# Altium PCB CB3-ECB_PCB.PcbDoc (part 1 of 4) (continued)
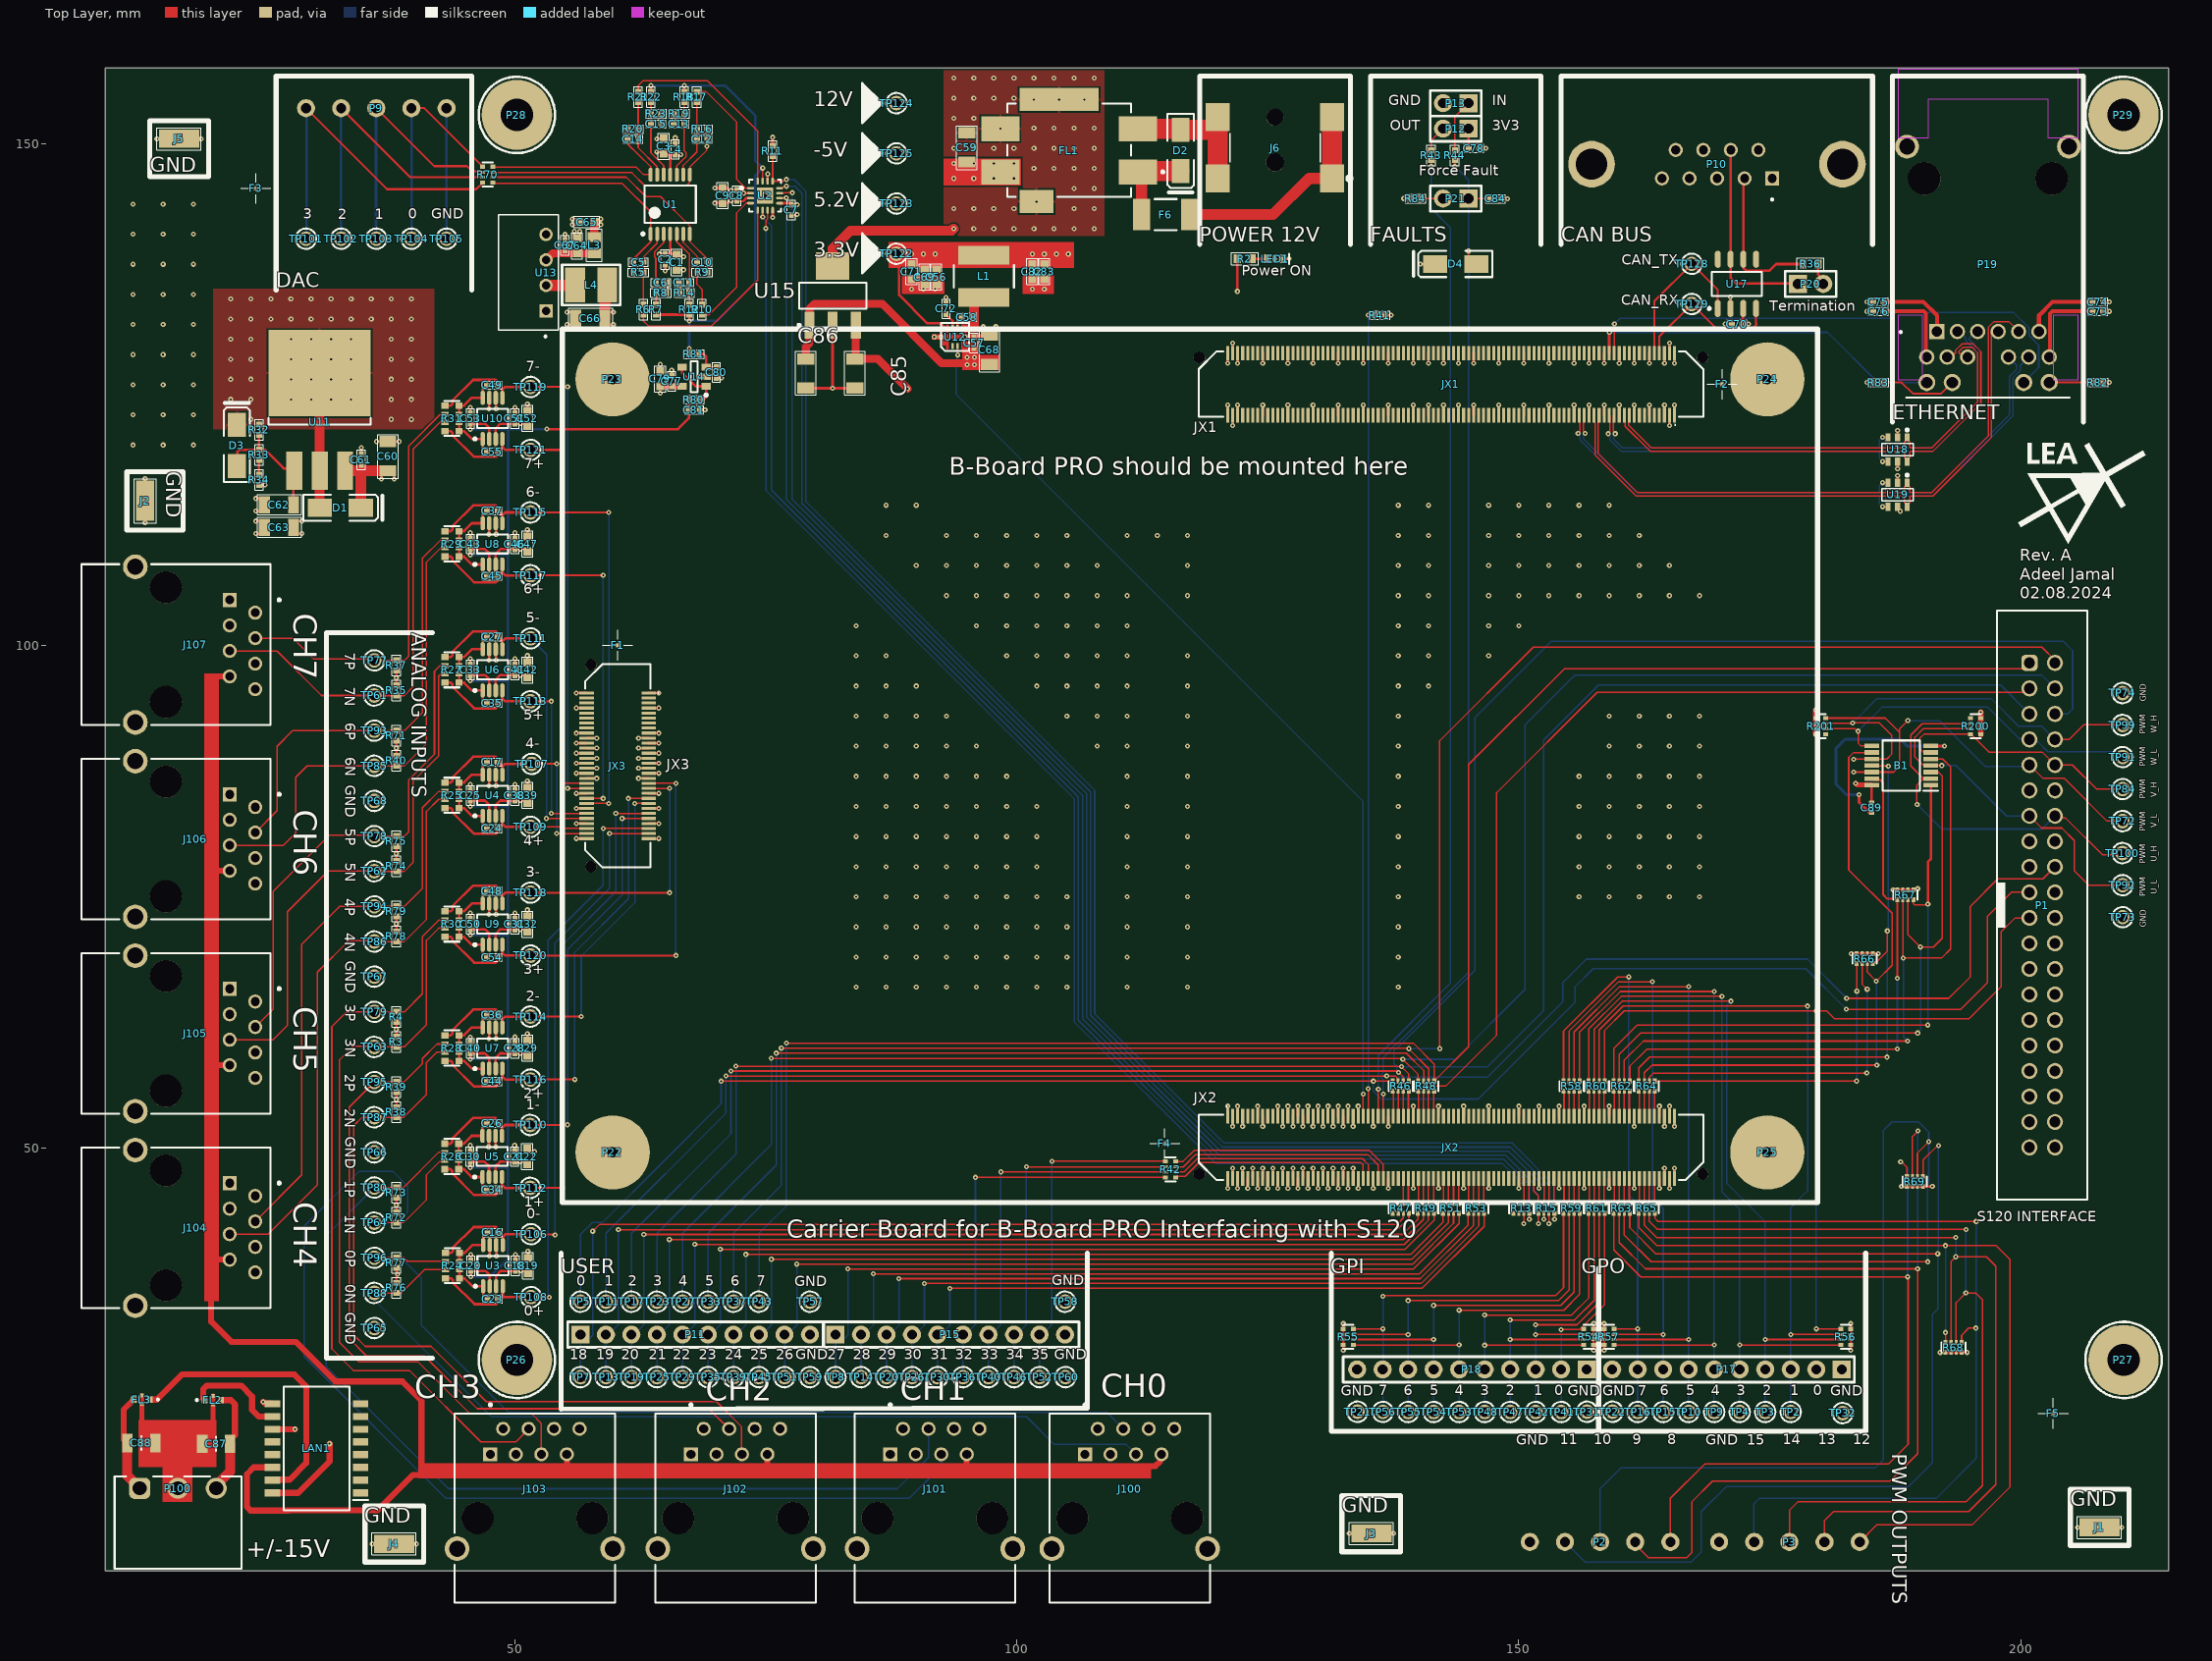
[diagram p0: Top Layer view]
## Components (designator, comment, footprint, x,y, rotation, side; value= is the part's Value field where it differs from the comment) (continued)
R31 "ACASA1002S1002P100" RESQUAD1206 43.766,122.651 r270 top value=10kΩ
R32 "RES-249Ω-1/16W-100PPM-0402-1%" RESC1005L(0402) 24.55,121.525 r90 top value=249Ω
R33 "RES-777Ω-1/16W-25PPM-0402-0.1%" RESC1005L(0402) 24.55,119.025 r90 top value=777Ω
R34 "RES-1.6Ω-1/16WW-200PPM-0402-5%" RESC1005L(0402) 24.55,116.525 r90 top value=1.6Ω
R35 "RES-1MΩ-1/16W-100PPM-0402-1%" RESC1005L(0402) 38.225,95.55 r270 top value=1MΩ
R36 "RES-120Ω-1/8W-50PPM-0603-1%" RESC1608L(0603) 179.055,138.025 r0 top value=120Ω
R37 "RES-1MΩ-1/16W-100PPM-0402-1%" RESC1005L(0402) 38.225,98.05 r90 top value=1MΩ
R38 "RES-1MΩ-1/16W-100PPM-0402-1%" RESC1005L(0402) 38.225,53.55 r270 top value=1MΩ
R39 "RES-1MΩ-1/16W-100PPM-0402-1%" RESC1005L(0402) 38.225,56.05 r90 top value=1MΩ
R40 "RES-1MΩ-1/16W-100PPM-0402-1%" RESC1005L(0402) 38.225,88.55 r270 top value=1MΩ
R41 "RES-6.19KΩ-1/16W-100PPM-0402-1%" RESC1005L(0402) 136.165,132.925 r180 top value=6.19kΩ
R42 "EXB-28V330JX" RESQUAD0804 115.325,47.85 r270 top value=33Ω
R43 "RES-120Ω-1/16W-25PPM-0402-0.1%" RESC1005L(0402) 141.276,148.871 r90 top value=120Ω
R44 "RES-120Ω-1/16W-25PPM-0402-0.1%" RESC1005L(0402) 143.634,148.871 r90 top value=120Ω
R46 "EXB-28V330JX" RESQUAD0804 138.245,56.146 r180 top value=33Ω
R47 "EXB-28V330JX" RESQUAD0804 138.255,43.97 r0 top value=33Ω
R48 "EXB-28V330JX" RESQUAD0804 140.777,56.146 r180 top value=33Ω
R49 "EXB-28V330JX" RESQUAD0804 140.755,43.97 r0 top value=33Ω
R51 "EXB-28V330JX" RESQUAD0804 143.255,43.97 r0 top value=33Ω
R53 "EXB-28V330JX" RESQUAD0804 145.755,43.97 r0 top value=33Ω
R54 "EXB-28V103JX" RESQUAD0804 156.961,31.16 r270 top value=10kΩ
R55 "EXB-28V103JX" RESQUAD0804 133.021,31.16 r90 top value=10kΩ
R56 "EXB-28V103JX" RESQUAD0804 182.561,31.16 r270 top value=10kΩ
R57 "EXB-28V103JX" RESQUAD0804 158.993,31.16 r90 top value=10kΩ
R58 "EXB-28V330JX" RESQUAD0804 155.255,56.146 r0 top value=33Ω
R59 "EXB-28V330JX" RESQUAD0804 155.255,43.97 r0 top value=33Ω
R60 "EXB-28V330JX" RESQUAD0804 157.755,56.146 r0 top value=33Ω
R61 "EXB-28V330JX" RESQUAD0804 157.755,43.97 r0 top value=33Ω
R62 "EXB-28V330JX" RESQUAD0804 160.255,56.146 r180 top value=33Ω
R63 "EXB-28V330JX" RESQUAD0804 160.255,43.97 r0 top value=33Ω
R64 "EXB-28V330JX" RESQUAD0804 162.755,56.146 r180 top value=33Ω
R65 "EXB-28V330JX" RESQUAD0804 162.755,43.97 r0 top value=33Ω
R66 "EXB-28V103JX" RESQUAD0804 184.453,68.842 r0 top value=10kΩ
R67 "EXB-28V103JX" RESQUAD0804 188.5,75.2 r0 top value=10kΩ
R68 "EXB-28V103JX" RESQUAD0804 193.303,30.123 r180 top value=10kΩ
R69 "EXB-28V103JX" RESQUAD0804 189.452,46.651 r180 top value=10kΩ
R70 "EXB-28V330JX" RESQUAD0804 47.325,146.925 r90 top value=33Ω
R71 "RES-1MΩ-1/16W-100PPM-0402-1%" RESC1005L(0402) 38.225,91.05 r90 top value=1MΩ
R72 "RES-1MΩ-1/16W-100PPM-0402-1%" RESC1005L(0402) 38.225,43.05 r270 top value=1MΩ
R73 "RES-1MΩ-1/16W-100PPM-0402-1%" RESC1005L(0402) 38.225,45.55 r90 top value=1MΩ
R74 "RES-1MΩ-1/16W-100PPM-0402-1%" RESC1005L(0402) 38.225,78.05 r270 top value=1MΩ
R75 "RES-1MΩ-1/16W-100PPM-0402-1%" RESC1005L(0402) 38.225,80.55 r90 top value=1MΩ
R76 "RES-1MΩ-1/16W-100PPM-0402-1%" RESC1005L(0402) 38.225,36.05 r270 top value=1MΩ
R77 "RES-1MΩ-1/16W-100PPM-0402-1%" RESC1005L(0402) 38.225,38.55 r90 top value=1MΩ
R78 "RES-1MΩ-1/16W-100PPM-0402-1%" RESC1005L(0402) 38.225,71.05 r270 top value=1MΩ
R79 "RES-1MΩ-1/16W-100PPM-0402-1%" RESC1005L(0402) 38.225,73.55 r90 top value=1MΩ
R80 "RES-1.6Ω-1/16WW-200PPM-0402-5%" RESC1005L(0402) 67.875,124.525 r180 top value=1.6Ω
R81 "RES-100KΩ-1/16W-100PPM-0402-1%" RESC1005L(0402) 67.875,129.05 r0 top value=100kΩ
R82 "RES-249Ω-1/16W-100PPM-0402-1%" RESC1005L(0402) 207.675,126.23 r0 top value=249Ω
R83 "RES-249Ω-1/16W-100PPM-0402-1%" RESC1005L(0402) 185.8,126.23 r180 top value=249Ω
R84 "RES-777Ω-1/16W-25PPM-0402-0.1%" RESC1005L(0402) 139.725,144.55 r0 top value=777Ω
R200 "EXB-28V103JX" RESQUAD0804 195.5,92 r270 top value=10kΩ
R201 "EXB-28V330JX" RESQUAD0804 180.075,92 r90 top value=10kΩ
TP2 "5001" 5001 177.078,23.689 r0 top
TP3 "5001" 5001 174.538,23.689 r0 top
TP4 "5001" 5001 171.998,23.689 r0 top
TP5 "5001" 5001 56.559,34.675 r0 top
TP7 "5001" 5001 56.55,27.162 r0 top
TP8 "5001" 5001 81.95,27.162 r0 top
TP9 "5001" 5001 169.458,23.689 r0 top
TP10 "5001" 5001 166.918,23.689 r0 top
TP11 "5001" 5001 59.099,34.675 r0 top
TP13 "5001" 5001 59.09,27.162 r0 top
TP14 "5001" 5001 84.49,27.162 r0 top
TP15 "5001" 5001 164.378,23.689 r0 top
TP16 "5001" 5001 161.838,23.689 r0 top
TP17 "5001" 5001 61.639,34.675 r0 top
TP19 "5001" 5001 61.63,27.162 r0 top
TP20 "5001" 5001 87.03,27.162 r0 top
TP21 "5001" 5001 133.934,23.717 r180 top
TP22 "5001" 5001 159.334,23.717 r180 top
TP23 "5001" 5001 64.179,34.675 r0 top
TP25 "5001" 5001 64.17,27.162 r0 top
TP26 "5001" 5001 89.57,27.162 r0 top
TP27 "5001" 5001 66.719,34.675 r0 top
TP29 "5001" 5001 66.71,27.162 r0 top
TP30 "5001" 5001 92.11,27.162 r0 top
TP31 "5001" 5001 156.794,23.717 r180 top
TP32 "5001" 5001 182.255,23.58 r180 top
TP33 "5001" 5001 69.259,34.675 r0 top
TP35 "5001" 5001 69.25,27.162 r0 top
TP36 "5001" 5001 94.65,27.162 r0 top
TP37 "5001" 5001 71.799,34.675 r0 top
TP39 "5001" 5001 71.79,27.162 r0 top
TP40 "5001" 5001 97.19,27.162 r0 top
TP41 "5001" 5001 154.222,23.686 r0 top
TP42 "5001" 5001 151.682,23.686 r180 top
TP43 "5001" 5001 74.339,34.675 r0 top
TP45 "5001" 5001 74.33,27.162 r0 top
TP46 "5001" 5001 99.73,27.162 r0 top
TP47 "5001" 5001 149.142,23.686 r180 top
TP48 "5001" 5001 146.602,23.686 r180 top
TP51 "5001" 5001 76.87,27.162 r0 top
TP52 "5001" 5001 102.27,27.162 r0 top
TP53 "5001" 5001 144.062,23.686 r180 top
TP54 "5001" 5001 141.522,23.686 r180 top
TP55 "5001" 5001 138.982,23.686 r180 top
TP56 "5001" 5001 136.458,23.701 r180 top
TP57 "5001" 5001 79.419,34.675 r0 top
TP58 "5001" 5001 104.819,34.675 r0 top
TP59 "5001" 5001 79.41,27.162 r0 top
TP60 "5001" 5001 104.846,27.162 r0 top
TP61 "5001" 5001 36.025,95.05 r270 top
TP62 "5001" 5001 36.025,77.55 r90 top
TP63 "5001" 5001 36.025,60.05 r90 top
TP64 "5001" 5001 36.025,42.55 r90 top
TP65 "5001" 5001 36.025,32.05 r90 top
TP66 "5001" 5001 36.025,49.55 r90 top
TP67 "5001" 5001 36.025,67.05 r90 top
TP68 "5001" 5001 36.025,84.55 r90 top
TP72 "5001" 5001 210.125,82.543 r90 top
TP73 "5001" 5001 210.125,72.975 r90 top
TP74 "5001" 5001 210.125,95.3 r90 top
TP77 "5001" 5001 36.025,98.55 r90 top
TP78 "5001" 5001 36.025,81.05 r90 top
TP79 "5001" 5001 36.025,63.55 r90 top
TP80 "5001" 5001 36.025,46.05 r90 top
TP84 "5001" 5001 210.125,85.732 r90 top
TP85 "5001" 5001 36.025,88.05 r90 top
TP86 "5001" 5001 36.025,70.55 r90 top
TP87 "5001" 5001 36.025,53.05 r90 top
TP88 "5001" 5001 36.025,35.55 r90 top
TP91 "5001" 5001 210.125,88.921 r270 top
TP92 "5001" 5001 210.125,76.164 r90 top
TP93 "5001" 5001 36.025,91.55 r90 top
TP94 "5001" 5001 36.025,74.05 r90 top
TP95 "5001" 5001 36.025,56.55 r90 top
TP96 "5001" 5001 36.025,39.05 r90 top
TP99 "5001" 5001 210.125,92.111 r270 top
TP100 "5001" 5001 210.125,79.354 r90 top
TP101 "5001" 5001 29.225,140.55 r90 top
TP102 "5001" 5001 32.725,140.55 r90 top
TP103 "5001" 5001 36.225,140.55 r90 top
TP104 "5001" 5001 39.725,140.55 r90 top
TP105 "5001" 5001 43.225,140.55 r90 top
TP106 "5001" 5001 51.625,41.4 r90 top
TP107 "5001" 5001 51.704,88.244 r90 top
TP108 "5001" 5001 51.626,35.133 r90 top
TP109 "5001" 5001 51.577,81.976 r90 top
TP110 "5001" 5001 51.552,52.278 r90 top
TP111 "5001" 5001 51.577,100.741 r90 top
TP112 "5001" 5001 51.552,46.01 r90 top
TP113 "5001" 5001 51.577,94.473 r90 top
TP114 "5001" 5001 51.577,63.072 r90 top
TP115 "5001" 5001 51.577,113.288 r90 top
TP116 "5001" 5001 51.577,56.805 r90 top
TP117 "5001" 5001 51.577,107.021 r90 top
TP118 "5001" 5001 51.577,75.417 r90 top
TP119 "5001" 5001 51.577,125.785 r90 top
TP120 "5001" 5001 51.577,69.149 r90 top
TP121 "5001" 5001 51.577,119.517 r90 top
TP122 "5001" 5001 88.025,139.05 r180 top
TP123 "5001" 5001 88.025,144.05 r90 top
TP124 "5001" 5001 88.025,154.05 r90 top
TP125 "5001" 5001 88.025,149.05 r0 top
TP128 "5001" 5001 167.225,138.05 r90 top
TP129 "5001" 5001 167.225,134.05 r90 top
U1 "OPA4205APWT" TSSOP65P640-14N 65.496,143.976 r90 top
U2 "AD5685RBCPZ-RL7" QFN50P300X300-16WAL 74.947,144.834 r0 top
U3 "THS4551IDGKT" TSOP65P490-8AL 47.845,38.266 r90 top
U4 "THS4551IDGKT" TSOP65P490-8AL 47.797,85.11 r90 top
U5 "THS4551IDGKT" TSOP65P490-8AL 47.772,49.144 r90 top
U6 "THS4551IDGKT" TSOP65P490-8AL 47.797,97.607 r90 top
U7 "THS4551IDGKT" TSOP65P490-8AL 47.797,59.939 r90 top
U8 "THS4551IDGKT" TSOP65P490-8AL 47.797,110.154 r90 top
U9 "THS4551IDGKT" TSOP65P490-8AL 47.797,72.283 r90 top
U10 "THS4551IDGKT" TSOP65P490-8AL 47.797,122.651 r90 top
U11 "LM317KTTR" TO263-3 30.585,117.45 r0 top
U12 "LMR43610MSC3RPERQ1" LMR43610MSC3RPERQ1 93.85,130.76 r90 top
U13 "ROE-1205S" ROE 51.374,137.229 r90 top
U14 "NCS325SN2T1G" SOT23-5AL 67.875,126.8 r180 top
U15 "LM2937IMPX-5.0" MP04A_M 81.675,134.875 r90 top
U17 "SN65HVD232DR" SOIC127P600-8AL 171.725,136.05 r90 top
U18 "HDMIULC6-4SC6" SOT23-6N 187.725,119.55 r270 top value=1pF
U19 "HDMIULC6-4SC6" SOT23-6N 187.725,115.05 r270 top value=1pF

## Footprints (in the part's own frame and the unit in brackets; to place one, negate y for a bottom-side part, rotate by r counter-clockwise, add the part's x,y. Pads: shape width x height; smd on the part's side, far side on the other; paste and mask are expansions set on the pad)
5001 [mm]
  round 1.45 hole 1: 1(0,0)
  silkscreen extent -1.01,-1.02 1.02,1.02, body extent -1.27,-1.26 1.27,1.26, height 4.59
1988985 [mm]
  round 1.8 hole 1: 1(0,7) 2(0,3.5) 3(0,0) 4(0,-3.5) 5(0,-7)
  body extent -8.83,-8.81 2.37,9.26, height 10.34
9771050360R#1 [mm]
  round 7.4 / inner round 7.4 / far side round 1.5 hole 1: 0(0,0)
  body extent -3,-3 3,3, height 11
9771050360R#2 [mm]
  round 7.4 hole 1: 0(0,0)
  body extent -3,-3 3,3, height 11
61204021621 [mm] "40 pins, straight, gold plating"
  rrect50% 1.6x1.6 hole 1.1: 1(-24.13,-1.27)
  round 1.6 hole 1.1: 2(-24.13,1.27) 3(-21.59,-1.27) 4(-21.59,1.27) 5(-19.05,-1.27) 6(-19.05,1.27) 7(-16.51,-1.27) 8(-16.51,1.27) 9(-13.97,-1.27) 10(-13.97,1.27) 11(-11.43,-1.27) 12(-11.43,1.27) 13(-8.89,-1.27) 14(-8.89,1.27) 15(-6.35,-1.27) 16(-6.35,1.27) 17(-3.81,-1.27) 18(-3.81,1.27) 19(-1.27,-1.27) 20(-1.27,1.27) 21(1.27,-1.27) 22(1.27,1.27) 23(3.81,-1.27) 24(3.81,1.27) 25(6.35,-1.27) 26(6.35,1.27) 27(8.89,-1.27) 28(8.89,1.27) 29(11.43,-1.27) 30(11.43,1.27) 31(13.97,-1.27) 32(13.97,1.27) 33(16.51,-1.27) 34(16.51,1.27) 35(19.05,-1.27) 36(19.05,1.27) 37(21.59,-1.27) 38(21.59,1.27) 39(24.13,-1.27) 40(24.13,1.27)
  silkscreen extent -29.33,-4.5 29.33,4.5, body extent -29.23,-4.42 29.23,4.75, height 9.13
691322310003 [mm] "Horizontal PCB Header, pitch 3.81mm, 03p"
  rrect50% 2.1x2.1 hole 1.4: 1(-3.81,3.4)
  round 2.1 hole 1.4: 2(0,3.4) 3(3.81,3.4)
  silkscreen extent -6.31,-4.6 6.31,4.6, body extent -6.31,-4.6 6.31,4.6, height 7.25
BEL_0826-1X1T-43-F [mil]
  rect 60x60 / inner round 60 / far side rect 60x60 hole 40: 1(-200,-600)
  round 60 hole 40: 2(-120,-600) 3(-40,-600) 4(40,-600) 5(120,-600) 6(200,-600) 7(-240,-700) 8(-160,-700) 9(-80,-700) 10(80,-700) 11(160,-700) 12(240,-700)
  round 67.5 hole 45: 13(-240,-800) 14(-140,-800) 15(140,-800) 16(240,-800)
  round 128 hole 128 unplated: H1(-250,0) H2(250,0)
  round 93 hole 62: S1(-317.5,125) S2(317.5,125)
  Keep-Out Layer region: 351,158 236,158 236,310 -236,310 -236,158 -351,158 -351,430 351,430
  Keep-Out Layer region: -258,-790 -351,-790 -351,-535 -258,-535
  Keep-Out Layer region: 351,-790 258,-790 258,-535 351,-535
  silkscreen extent -346,-860 321,-598, body extent -374,-859 374,456, height 590
BSH-030-01-L-D-A [mm]
  rect 1.448x0.305 smd: 1(3.095,7.25) 2(3.095,6.75) 3(3.095,6.25) 4(3.095,5.75) 5(3.095,5.25) 6(3.095,4.75) 7(3.095,4.25) 8(3.095,3.75) 9(3.095,3.25) 10(3.095,2.75) 11(3.095,2.25) 12(3.095,1.75) 13(3.095,1.25) 14(3.095,0.75) 15(3.095,0.25) 16(3.095,-0.25) 17(3.095,-0.75) 18(3.095,-1.25) 19(3.095,-1.75) 20(3.095,-2.25) 21(3.095,-2.75) 22(3.095,-3.25) 23(3.095,-3.75) 24(3.095,-4.25) 25(3.095,-4.75) 26(3.095,-5.25) 27(3.095,-5.75) 28(3.095,-6.25) 29(3.095,-6.75) 30(3.095,-7.25) 31(-3.095,-7.25) 32(-3.095,-6.75) 33(-3.095,-6.25) 34(-3.095,-5.75) 35(-3.095,-5.25) 36(-3.095,-4.75) 37(-3.095,-4.25) 38(-3.095,-3.75) 39(-3.095,-3.25) 40(-3.095,-2.75) 41(-3.095,-2.25) 42(-3.095,-1.75) 43(-3.095,-1.25) 44(-3.095,-0.75) 45(-3.095,-0.25) 46(-3.095,0.25) 47(-3.095,0.75) 48(-3.095,1.25) 49(-3.095,1.75) 50(-3.095,2.25) 51(-3.095,2.75) 52(-3.095,3.25) 53(-3.095,3.75) 54(-3.095,4.25) 55(-3.095,4.75) 56(-3.095,5.25) 57(-3.095,5.75) 58(-3.095,6.25) 59(-3.095,6.75) 60(-3.095,7.25)
  round 1.15 hole 1.15 unplated paste-2539.97 mask+0: NC(-2.666,-10.065) NC(-2.666,10.065)
  silkscreen extent -3.25,-10.12 4.12,10.12, body extent -3.75,-10.64 3.75,10.64, height 3.25
BSH-090-01-F-D-A [mm]
  rect 1.448x0.305 smd: 1(3.095,22.25) 2(3.095,21.75) 3(3.095,21.25) 4(3.095,20.75) 5(3.095,20.25) 6(3.095,19.75) 7(3.095,19.25) 8(3.095,18.75) 9(3.095,18.25) 10(3.095,17.75) 11(3.095,17.25) 12(3.095,16.75) 13(3.095,16.25) 14(3.095,15.75) 15(3.095,15.25) 16(3.095,14.75) 17(3.095,14.25) 18(3.095,13.75) 19(3.095,13.25) 20(3.095,12.75) 21(3.095,12.25) 22(3.095,11.75) 23(3.095,11.25) 24(3.095,10.75) 25(3.095,10.25) 26(3.095,9.75) 27(3.095,9.25) 28(3.095,8.75) 29(3.095,8.25) 30(3.095,7.75) 31(3.095,7.25) 32(3.095,6.75) 33(3.095,6.25) 34(3.095,5.75) 35(3.095,5.25) 36(3.095,4.75) 37(3.095,4.25) 38(3.095,3.75) 39(3.095,3.25) 40(3.095,2.75) 41(3.095,2.25) 42(3.095,1.75) 43(3.095,1.25) 44(3.095,0.75) 45(3.095,0.25) 46(3.095,-0.25) 47(3.095,-0.75) 48(3.095,-1.25) 49(3.095,-1.75) 50(3.095,-2.25) 51(3.095,-2.75) 52(3.095,-3.25) 53(3.095,-3.75) 54(3.095,-4.25) 55(3.095,-4.75) 56(3.095,-5.25) 57(3.095,-5.75) 58(3.095,-6.25) 59(3.095,-6.75) 60(3.095,-7.25) 61(3.095,-7.75) 62(3.095,-8.25) 63(3.095,-8.75) 64(3.095,-9.25) 65(3.095,-9.75) 66(3.095,-10.25) 67(3.095,-10.75) 68(3.095,-11.25) 69(3.095,-11.75) 70(3.095,-12.25) 71(3.095,-12.75) 72(3.095,-13.25) 73(3.095,-13.75) 74(3.095,-14.25) 75(3.095,-14.75) 76(3.095,-15.25) 77(3.095,-15.75) 78(3.095,-16.25) 79(3.095,-16.75) 80(3.095,-17.25) 81(3.095,-17.75) 82(3.095,-18.25) 83(3.095,-18.75) 84(3.095,-19.25) 85(3.095,-19.75) 86(3.095,-20.25) 87(3.095,-20.75) 88(3.095,-21.25) 89(3.095,-21.75) 90(3.095,-22.25) 91(-3.095,-22.25) 92(-3.095,-21.75) 93(-3.095,-21.25) 94(-3.095,-20.75) 95(-3.095,-20.25) 96(-3.095,-19.75) 97(-3.095,-19.25) 98(-3.095,-18.75) 99(-3.095,-18.25) 100(-3.095,-17.75) 101(-3.095,-17.25) 102(-3.095,-16.75) 103(-3.095,-16.25) 104(-3.095,-15.75) 105(-3.095,-15.25) 106(-3.095,-14.75) 107(-3.095,-14.25) 108(-3.095,-13.75) 109(-3.095,-13.25) 110(-3.095,-12.75) 111(-3.095,-12.25) 112(-3.095,-11.75) 113(-3.095,-11.25) 114(-3.095,-10.75) 115(-3.095,-10.25) 116(-3.095,-9.75) 117(-3.095,-9.25) 118(-3.095,-8.75) 119(-3.095,-8.25) 120(-3.095,-7.75) 121(-3.095,-7.25) 122(-3.095,-6.75) 123(-3.095,-6.25) 124(-3.095,-5.75) 125(-3.095,-5.25) 126(-3.095,-4.75) 127(-3.095,-4.25) 128(-3.095,-3.75) 129(-3.095,-3.25) 130(-3.095,-2.75) 131(-3.095,-2.25) 132(-3.095,-1.75) 133(-3.095,-1.25) 134(-3.095,-0.75) 135(-3.095,-0.25) 136(-3.095,0.25) 137(-3.095,0.75) 138(-3.095,1.25) 139(-3.095,1.75) 140(-3.095,2.25) 141(-3.095,2.75) 142(-3.095,3.25) 143(-3.095,3.75) 144(-3.095,4.25) 145(-3.095,4.75) 146(-3.095,5.25) 147(-3.095,5.75) 148(-3.095,6.25) 149(-3.095,6.75) 150(-3.095,7.25) 151(-3.095,7.75) 152(-3.095,8.25) 153(-3.095,8.75) 154(-3.095,9.25) 155(-3.095,9.75) 156(-3.095,10.25) 157(-3.095,10.75) 158(-3.095,11.25) 159(-3.095,11.75) 160(-3.095,12.25) 161(-3.095,12.75) 162(-3.095,13.25) 163(-3.095,13.75) 164(-3.095,14.25) 165(-3.095,14.75) 166(-3.095,15.25) 167(-3.095,15.75) 168(-3.095,16.25) 169(-3.095,16.75) 170(-3.095,17.25) 171(-3.095,17.75) 172(-3.095,18.25) 173(-3.095,18.75) 174(-3.095,19.25) 175(-3.095,19.75) 176(-3.095,20.25) 177(-3.095,20.75) 178(-3.095,21.25) 179(-3.095,21.75) 180(-3.095,22.25)
  round 1.15 hole 1.15 unplated paste-2539.97 mask+0: H1(-2.666,25.067) H2(-2.666,-25.067)
  silkscreen extent -3.25,-25.12 4.11,25.12, body extent -3.75,-25.64 3.75,25.64, height 3.25
CAPC0402(1005)60_L [mm] "Chip Capacitor, Body 1.0x0.5mm, Height 0.6mm, IPC High Density"
  rrect25% 0.5x0.55 smd: 1(-0.45,0) 2(0.45,0)
  silkscreen extent 0,-0.2 0,0.2, body extent -0.5,-0.25 0.5,0.25, height 0.6
CAPC1005L(0402) [mm]
  rect 0.6x0.5 smd: 1(-0.525,0) 2(0.525,0)
  silkscreen extent -0.97,-0.4 0.97,0.4, body extent -0.55,-0.3 0.55,0.3, height 0.6
CAPC1608L(0603) [mm]
  rect 0.8x0.8 smd: 1(-0.75,0) 2(0.75,0)
  silkscreen extent -1.3,-0.55 1.3,0.55, body extent -0.87,-0.48 0.87,0.48, height 0.85
CAPC3216L(1206) [mm]
  rect 1.1x1.7 smd: 1(-1.45,0) 2(1.45,0)
  silkscreen extent -2.15,-1 2.2,1.03, body extent -1.7,-0.9 1.7,0.9, height 1.35
CAPC3216X180N [mm]
  rect 1.05x1.82 smd: 1(-1.39,0) 2(1.39,0)
  silkscreen extent 0,-0.7 0,0.7, body extent -1.6,-0.8 1.6,0.8, height 1.8
DO-214AC [mm]
  rect 2.4x1.8 smd: A(-2.05,0) K(2.05,0)
  silkscreen extent -3.65,-1.3 4.2,1.3, body extent -2.6,-1.45 2.6,1.45, height 2.3
Fiducial050 [mm]
  round 0.5 smd mask+0.5: 0(0,0)
  silkscreen extent -1.5,-1.5 1.5,1.5
FP-1-1734264-1-MFG [mm]
  rect 1.4x1.4 hole 0.9 paste-2539.97 mask+0: 1(-4.445,5.35)
  round 1.4 hole 0.9 paste-2539.97 mask+0: 2(-3.175,7.89) 3(-1.905,5.35) 4(-0.635,7.89) 5(0.635,5.35) 6(1.905,7.89) 7(3.175,5.35) 8(4.445,7.89)
  round 2.45 hole 1.6 paste-2539.97 mask+0: 9(-7.75,-4.05) 10(7.75,-4.05)
  round 3.2 hole 3.2 unplated paste-2539.97 mask+0: ""(-5.715,-1) ""(5.715,-1)
  silkscreen extent -8,-9.4 8,10.4, body extent -9.08,-9.5 9.08,9.5, height 0.25
FP-BNX02-MFG [mm]
  rect 3.8x2.5 smd paste+0 mask+0: 1(-6.85,2.15) 2(6.85,2.15) 3(-6.85,-2.15) 4(6.85,-2.15)
  rect 7.9x2.3 smd paste+0 mask+0: 4(1,-5.05)
  rect 3.4x2.3 smd paste+0 mask+0: 4(3.25,5.1)
  silkscreen extent -9.45,-4.65 6.15,4.65, body extent -6.05,-4.55 6.05,4.55, height 3.35
"Inductor 8400 Serie" [mm]
  rect 2x3.5 smd: 1(-1.6,0) 2(1.6,0)
  silkscreen extent -2.9,-2 2.9,2, body extent -2.32,-1.73 2.32,1.72, height 2.6
LD09P33E4GV00LF [mm]
  rect 1.4x1.4 hole 0.9: 1(0,0)
  round 1.4 hole 0.9: 2(2.74,0) 3(5.48,0) 4(8.22,0) 5(10.96,0) 6(1.37,-2.84) 7(4.11,-2.84) 8(6.85,-2.84) 9(9.59,-2.84)
  round 4.65 hole 3.1: MH1(-7.015,-1.42) MH2(17.975,-1.42)
  silkscreen extent -0.1,2 0.1,2.2, body extent -9.94,-17.15 20.87,1.7, height 12.55
LED0603_GREEN [mm]
  rect 0.7x0.9 smd: A(-0.75,0) K(0.75,0)
  silkscreen extent -0.23,-0.51 1.4,0.51, body extent -0.85,-0.48 0.85,0.48, height 0.6
LMR43610MSC3RPERQ1 [mm]
  round 0.025 smd paste+0: 1(-0.825,0.913) 8(0.825,0.913) 9(0,0.55)
  rrect50% 0.6x0.25 smd paste+0: 2(-0.9,0.25) 3(-0.9,-0.25) 6(0.9,-0.25) 7(0.9,0.25)
  round 0.025 smd: 4(-0.825,-0.913) 5(0.825,-0.913)
  Top Layer region: -0.125,-0.1 -0.144,-0.096 -0.16,-0.085 -0.171,-0.069 -0.175,-0.05 -0.175,-0.05 -0.175,1.15 -0.171,1.169 -0.16,1.185 -0.144,1.196 -0.125,1.2 -0.125,1.2 0.125,1.2 0.125,1.2 0.144,1.196 0.16,1.185 0.171,1.169 0.175,1.15 0.175,1.15 0.175,1.15 0.175,-0.05 0.175,-0.05 0.171,-0.069 0.16,-0.085 0.144,-0.096 0.125,-0.1 0.125,-0.1
  Top Layer region: -1.2,0.675 -1.2,0.8 -1.2,0.8 -1.196,0.819 -1.185,0.835 -1.169,0.846 -1.15,0.85 -1.15,0.85 -0.9,0.85 -0.9,0.85 -0.881,0.854 -0.865,0.865 -0.854,0.881 -0.85,0.9 -0.85,0.9 -0.85,1.15 -0.85,1.15 -0.846,1.169 -0.835,1.185 -0.819,1.196 -0.8,1.2 -0.8,1.2 -0.5,1.2 -0.5,1.2 -0.481,1.196 -0.465,1.185 -0.454,1.169 -0.45,1.15 -0.45,1.15 -0.45,0.675 -0.45,0.675 -0.454,0.656 -0.465,0.64 -0.481,0.629 -0.5,0.625 -0.5,0.625 -1.15,0.625 -1.15,0.625 -1.169,0.629 -1.185,0.64 -1.196,0.656 -1.2,0.675
  Top Layer region: 1.2,0.675 1.2,0.8 1.2,0.8 1.196,0.819 1.185,0.835 1.169,0.846 1.15,0.85 1.15,0.85 0.9,0.85 0.9,0.85 0.881,0.854 0.865,0.865 0.854,0.881 0.85,0.9 0.85,0.9 0.85,1.15 0.85,1.15 0.846,1.169 0.835,1.185 0.819,1.196 0.8,1.2 0.8,1.2 0.5,1.2 0.5,1.2 0.481,1.196 0.465,1.185 0.454,1.169 0.45,1.15 0.45,1.15 0.45,0.675 0.45,0.675 0.454,0.656 0.465,0.64 0.481,0.629 0.5,0.625 0.5,0.625 1.15,0.625 1.15,0.625 1.169,0.629 1.185,0.64 1.196,0.656 1.2,0.675
  Top Layer region: 1.2,-0.675 1.2,-0.8 1.2,-0.8 1.196,-0.819 1.185,-0.835 1.169,-0.846 1.15,-0.85 1.15,-0.85 0.9,-0.85 0.9,-0.85 0.881,-0.854 0.865,-0.865 0.854,-0.881 0.85,-0.9 0.85,-0.9 0.85,-1.15 0.85,-1.15 0.846,-1.169 0.835,-1.185 0.819,-1.196 0.8,-1.2 0.8,-1.2 0.5,-1.2 0.5,-1.2 0.481,-1.196 0.465,-1.185 0.454,-1.169 0.45,-1.15 0.45,-1.15 0.45,-0.675 0.45,-0.675 0.454,-0.656 0.465,-0.64 0.481,-0.629 0.5,-0.625 0.5,-0.625 1.15,-0.625 1.15,-0.625 1.169,-0.629 1.185,-0.64 1.196,-0.656 1.2,-0.675
  Top Layer region: -1.2,-0.675 -1.2,-0.8 -1.2,-0.8 -1.196,-0.819 -1.185,-0.835 -1.169,-0.846 -1.15,-0.85 -1.15,-0.85 -0.9,-0.85 -0.9,-0.85 -0.881,-0.854 -0.865,-0.865 -0.854,-0.881 -0.85,-0.9 -0.85,-0.9 -0.85,-1.15 -0.85,-1.15 -0.846,-1.169 -0.835,-1.185 -0.819,-1.196 -0.8,-1.2 -0.8,-1.2 -0.5,-1.2 -0.5,-1.2 -0.481,-1.196 -0.465,-1.185 -0.454,-1.169 -0.45,-1.15 -0.45,-1.15 -0.45,-0.675 -0.45,-0.675 -0.454,-0.656 -0.465,-0.64 -0.481,-0.629 -0.5,-0.625 -0.5,-0.625 -1.15,-0.625 -1.15,-0.625 -1.169,-0.629 -1.185,-0.64 -1.196,-0.656 -1.2,-0.675
  silkscreen extent -1.4,-1.4 1.4,1.4, body extent -1,-1 1,1, height 1
M20-9731045 [mm]
  rect 1.8x1.8 hole 1: 1(0,0)
  round 1.8 hole 1: 2(-2.54,0) 3(-5.08,0) 4(-7.62,0) 5(-10.16,0) 6(-12.7,0) 7(-15.24,0) 8(-17.78,0) 9(-20.32,0) 10(-22.86,0)
  silkscreen extent -24.26,-1.27 1.25,1.27, body extent -24.13,-1.27 1.27,1.27, height 8.74
M20-9990245 [mm]
  rect 1.8x1.8 hole 1: 1(0,0)
  round 1.8 hole 1: 2(-2.54,0)
  silkscreen extent -3.81,-1.27 1.27,1.27, body extent -3.81,-1.27 1.27,1.27, height 8.74
MP04A_M [mm] "SOT223, 4-Leads, Body 6.5x3.5mm, Pitch 2.3mm, Lead Span 7mm, IPC Low Density"
  rect 2.7x1 smd: 1(-2.95,2.3) 2(-2.95,0) 3(-2.95,-2.3)
  rect 2.7x3.3 smd: 4(2.95,0)
  silkscreen extent -3.07,-3.35 1.3,3.47, body extent -1.86,-3.35 1.86,3.35, height 1.8
PJ-002AH-SMT-TR [mm]
  rect 2.8x2.4 smd: 1(-6.1,0) 1(0,0) 3(0,-11.4)
  rect 2.8x2.4 smd mask+0: 2(-6.1,-11.4)
  round 1.7 hole 1.7 unplated: NC(-6.1,-5.7)
  round 1.8 hole 1.8 unplated: NC(-1.6,-5.7)
  silkscreen extent -4.5,-10.2 0.2,1.9, body extent -11.1,-12 3.7,0.6, height 11
"PTC Fuse(1812)" [mm]
  rect 1.68x3.15 smd: 1(-2.39,0) 2(2.39,0)
  silkscreen extent -1.1,-1.55 1.1,1.55, body extent -2.4,-1.7 2.4,1.7, height 0.7
QFN50P300X300-16WAL [mm]
  oval 0.7x0.25 smd: 1(-1.45,0.75) 2(-1.45,0.25) 3(-1.45,-0.25) 4(-1.45,-0.75) 9(1.45,-0.75) 10(1.45,-0.25) 11(1.45,0.25) 12(1.45,0.75)
  oval 0.25x0.7 smd: 5(-0.75,-1.45) 6(-0.25,-1.45) 7(0.25,-1.45) 8(0.75,-1.45) 13(0.75,1.45) 14(0.25,1.45) 15(-0.25,1.45) 16(-0.75,1.45)
  rect 1.6x1.6 smd: 17(0,0)
  silkscreen extent -2.47,-1.6 1.6,1.6, body extent -1.58,-1.58 1.58,1.58, height 0.8
RESC1005L(0402) [mm]
  rect 0.6x0.6 smd: 1(-0.5,0) 2(0.5,0)
  silkscreen extent -1.02,-0.43 1.02,0.43, body extent -0.55,-0.3 0.55,0.3, height 0.4
RESC1608L(0603) [mm]
  rect 0.7x0.9 smd: 1(-0.75,0) 2(0.75,0)
  silkscreen extent -1.35,-0.6 1.35,0.6, body extent -0.85,-0.48 0.85,0.48, height 0.6
RESC2012L(0805) [mm]
  rect 1x1.3 smd: 1(-0.8,0) 2(0.8,0)
  silkscreen extent -1.6,-0.8 1.6,0.8, body extent -1.07,-0.7 1.07,0.7, height 0.65
RESQUAD0804 [mm]
  rect 0.4x0.5 smd: 1(-0.8,-0.5) 4(0.8,-0.5) 5(0.8,0.5) 8(-0.8,0.5)
  rect 0.3x0.5 smd: 2(-0.25,-0.5) 3(0.25,-0.5) 6(0.25,0.5) 7(-0.25,0.5)
  silkscreen extent -1.2,-0.5 1.2,0.5, body extent -1,-0.5 1,0.5, height 0.4
RESQUAD1206 [mm]
  rect 0.64x0.7 smd: 1(-1.27,-0.7) 4(1.27,-0.7) 5(1.27,0.7) 8(-1.27,0.7)
  rect 0.5x0.7 smd: 2(-0.4,-0.7) 3(0.4,-0.7) 6(0.4,0.7) 7(-0.4,0.7)
  silkscreen extent -1.75,-0.75 1.75,0.75, body extent -1.5,-0.75 1.5,0.75, height 0.4
ROE [mm]
  rect 1.338x1.338 hole 0.83: 1(-3.875,-1.75)
  round 1.338 hole 0.83: 2(-1.335,-1.75) 3(1.205,-1.75) 4(3.745,-1.75)
  silkscreen extent -6.51,-3 5.72,3, body extent -5.78,-3 5.72,3, height 10
SOIC127P600-8AL [mm]
  oval 1.7x0.6 smd: 1(-2.45,1.905) 2(-2.45,0.635) 3(-2.45,-0.635) 4(-2.45,-1.905) 5(2.45,-1.905) 6(2.45,-0.635) 7(2.45,0.635) 8(2.45,1.905)
  silkscreen extent -2.57,-2.5 1.2,2.88, body extent -3,-2.5 3,2.5, height 1.75
SOIC127P920X571-16N [mm]
  rect 1.53x0.7 smd: 1(-4.385,4.445) 2(-4.385,3.175) 3(-4.385,1.905) 4(-4.385,0.635) 5(-4.385,-0.635) 6(-4.385,-1.905) 7(-4.385,-3.175) 8(-4.385,-4.445) 9(4.385,-4.445) 10(4.385,-3.175) 11(4.385,-1.905) 12(4.385,-0.635) 13(4.385,0.635) 14(4.385,1.905) 15(4.385,3.175) 16(4.385,4.445)
  silkscreen extent -5.15,-6.16 3.27,6.16, body extent -4.62,-6.16 4.62,6.16, height 5.71
SOP65P640X120-14N [mm]
  rect 1.475x0.45 smd: 1(-2.938,1.95) 2(-2.938,1.3) 3(-2.938,0.65) 4(-2.938,0) 5(-2.938,-0.65) 6(-2.938,-1.3) 7(-2.938,-1.95) 8(2.938,-1.95) 9(2.938,-1.3) 10(2.938,-0.65) 11(2.938,0) 12(2.938,0.65) 13(2.938,1.3) 14(2.938,1.95)
  silkscreen extent -3.67,-2.5 1.85,2.52
SOT23-5AL [mm]
  rect 0.9x0.65 smd: 1(-1.2,0.95) 2(-1.2,0) 3(-1.2,-0.95) 4(1.2,-0.95) 5(1.2,0.95)
  silkscreen extent -1.33,-1.55 0.35,1.95, body extent -0.9,-1.55 0.9,1.55, height 1.45
SOT23-6N [mm]
  rect 0.8x0.5 smd: 1(-1.2,0.95) 2(-1.2,0) 3(-1.2,-0.95) 4(1.2,-0.95) 5(1.2,0) 6(1.2,0.95)
  silkscreen extent -2.07,-1.55 0.6,1.55, body extent -0.9,-1.55 0.9,1.55, height 1.2
"Spacer M3 connected" [mm]
  round 7 hole 3.2: 1(0,0)
  silkscreen extent -3.8,-3.8 3.8,3.8
TO263-3 [mm]
  rect 1.6x3.8 smd: 1(-2.54,0) 2(0,0) 3(2.54,0)
  rect 10.2x8.6 smd: 2(0,9.7)
  silkscreen extent -5.07,4.58 5.07,5.25, body extent -4.91,-1.06 4.91,13.54, height 4.22
TP-3216L(1206) [mm]
  rect 4x1.8 smd: 1(0,0)
  silkscreen extent -2.2,-1.1 2.2,1.1, body extent -1.6,-0.8 1.6,0.8, height 1.28
TSOP65P490-8AL [mm]
  oval 1.4x0.45 smd: 1(-2.05,0.975) 2(-2.05,0.325) 3(-2.05,-0.325) 4(-2.05,-0.975) 5(2.05,-0.975) 6(2.05,-0.325) 7(2.05,0.325) 8(2.05,0.975)
  silkscreen extent -2.17,-1.55 0.95,1.87, body extent -2.45,-1.55 2.45,1.55, height 1.1
TSSOP65P640-14N [mm]
  oval 1.4x0.396 smd: 1(-2.95,1.95) 2(-2.95,1.3) 3(-2.95,0.65) 4(-2.95,0) 5(-2.95,-0.65) 6(-2.95,-1.3) 7(-2.95,-1.95) 8(2.95,-1.95) 9(2.95,-1.3) 10(2.95,-0.65) 11(2.95,0) 12(2.95,0.65) 13(2.95,1.3) 14(2.95,1.95)
  silkscreen extent -3.07,-2.55 1.85,2.85, body extent -2.25,-2.55 2.25,2.55, height 1.2
VLS6045EX [mm]
  rect 1.9x5.1 smd paste+0 mask+0: 1(-2.1,0) 2(2.1,0)
  silkscreen extent -1.12,-3 1.12,3, body extent -3,-3 3,3, height 4.5
YFF18SC1H223MT0H0N [mm]
  rect 0.6x0.6 smd: 1(-0.8,0) 3(0.8,0)
  rect 0.4x0.4 smd: 2(0,-0.4) 4(0,0.4)
  silkscreen extent -1.7,-0.1 -1.5,0.1, body extent -1.04,-0.56 1.04,0.56, height 0.95

## Part data
B1: "Buffers & Line Drivers Enhanced product six-channel 2-V to 5.5-V inverters with Schmitt-Trigger inputs 14-TSSOP -55 to 125", Manufacturer_Name="Texas Instruments", Mouser Part Number=595-SN74LV14BMPWREP, Datasheet Link=https://www.ti.com/lit/ds/symlink/sn74lv14b-ep.pdf?ts=1721665849773&ref_url=https%253A%252F%252Fwww.ti.com%252Fproduct%252FSN74LV14B-EP%253Fbm-verify%253DAAQAAAAJ_____xCRxVYzN0ZP5KnI32M898cdzk_vVBOKhwrKmXlj3-P_3M_Mnh5G3rD7WBG7EyrGOmmHo91Qgihl-F3Dqbjb4gK-S, Geometry.Height=1.2mm, Manufacturer_Part_Number=SN74LV14BMPWREP, Mouser Price/Stock=https://www.mouser.co.uk/ProductDetail/Texas-Instruments/SN74LV14BMPWREP?qs=HoCaDK9Nz5fSnWYSOigIVw%3D%3D